# Altium PCB SIM_Cntroller_P200.PcbDoc (part 1 of 2)
Units mm, origin at the board's own origin, x right, y up, seen from the top; angles counter-clockwise.
Board outline 110.24 x 141.25 mm, 2 copper layers (Top Layer, Bottom Layer); 165 components, 100 nets, 639 pads, 246 vias.
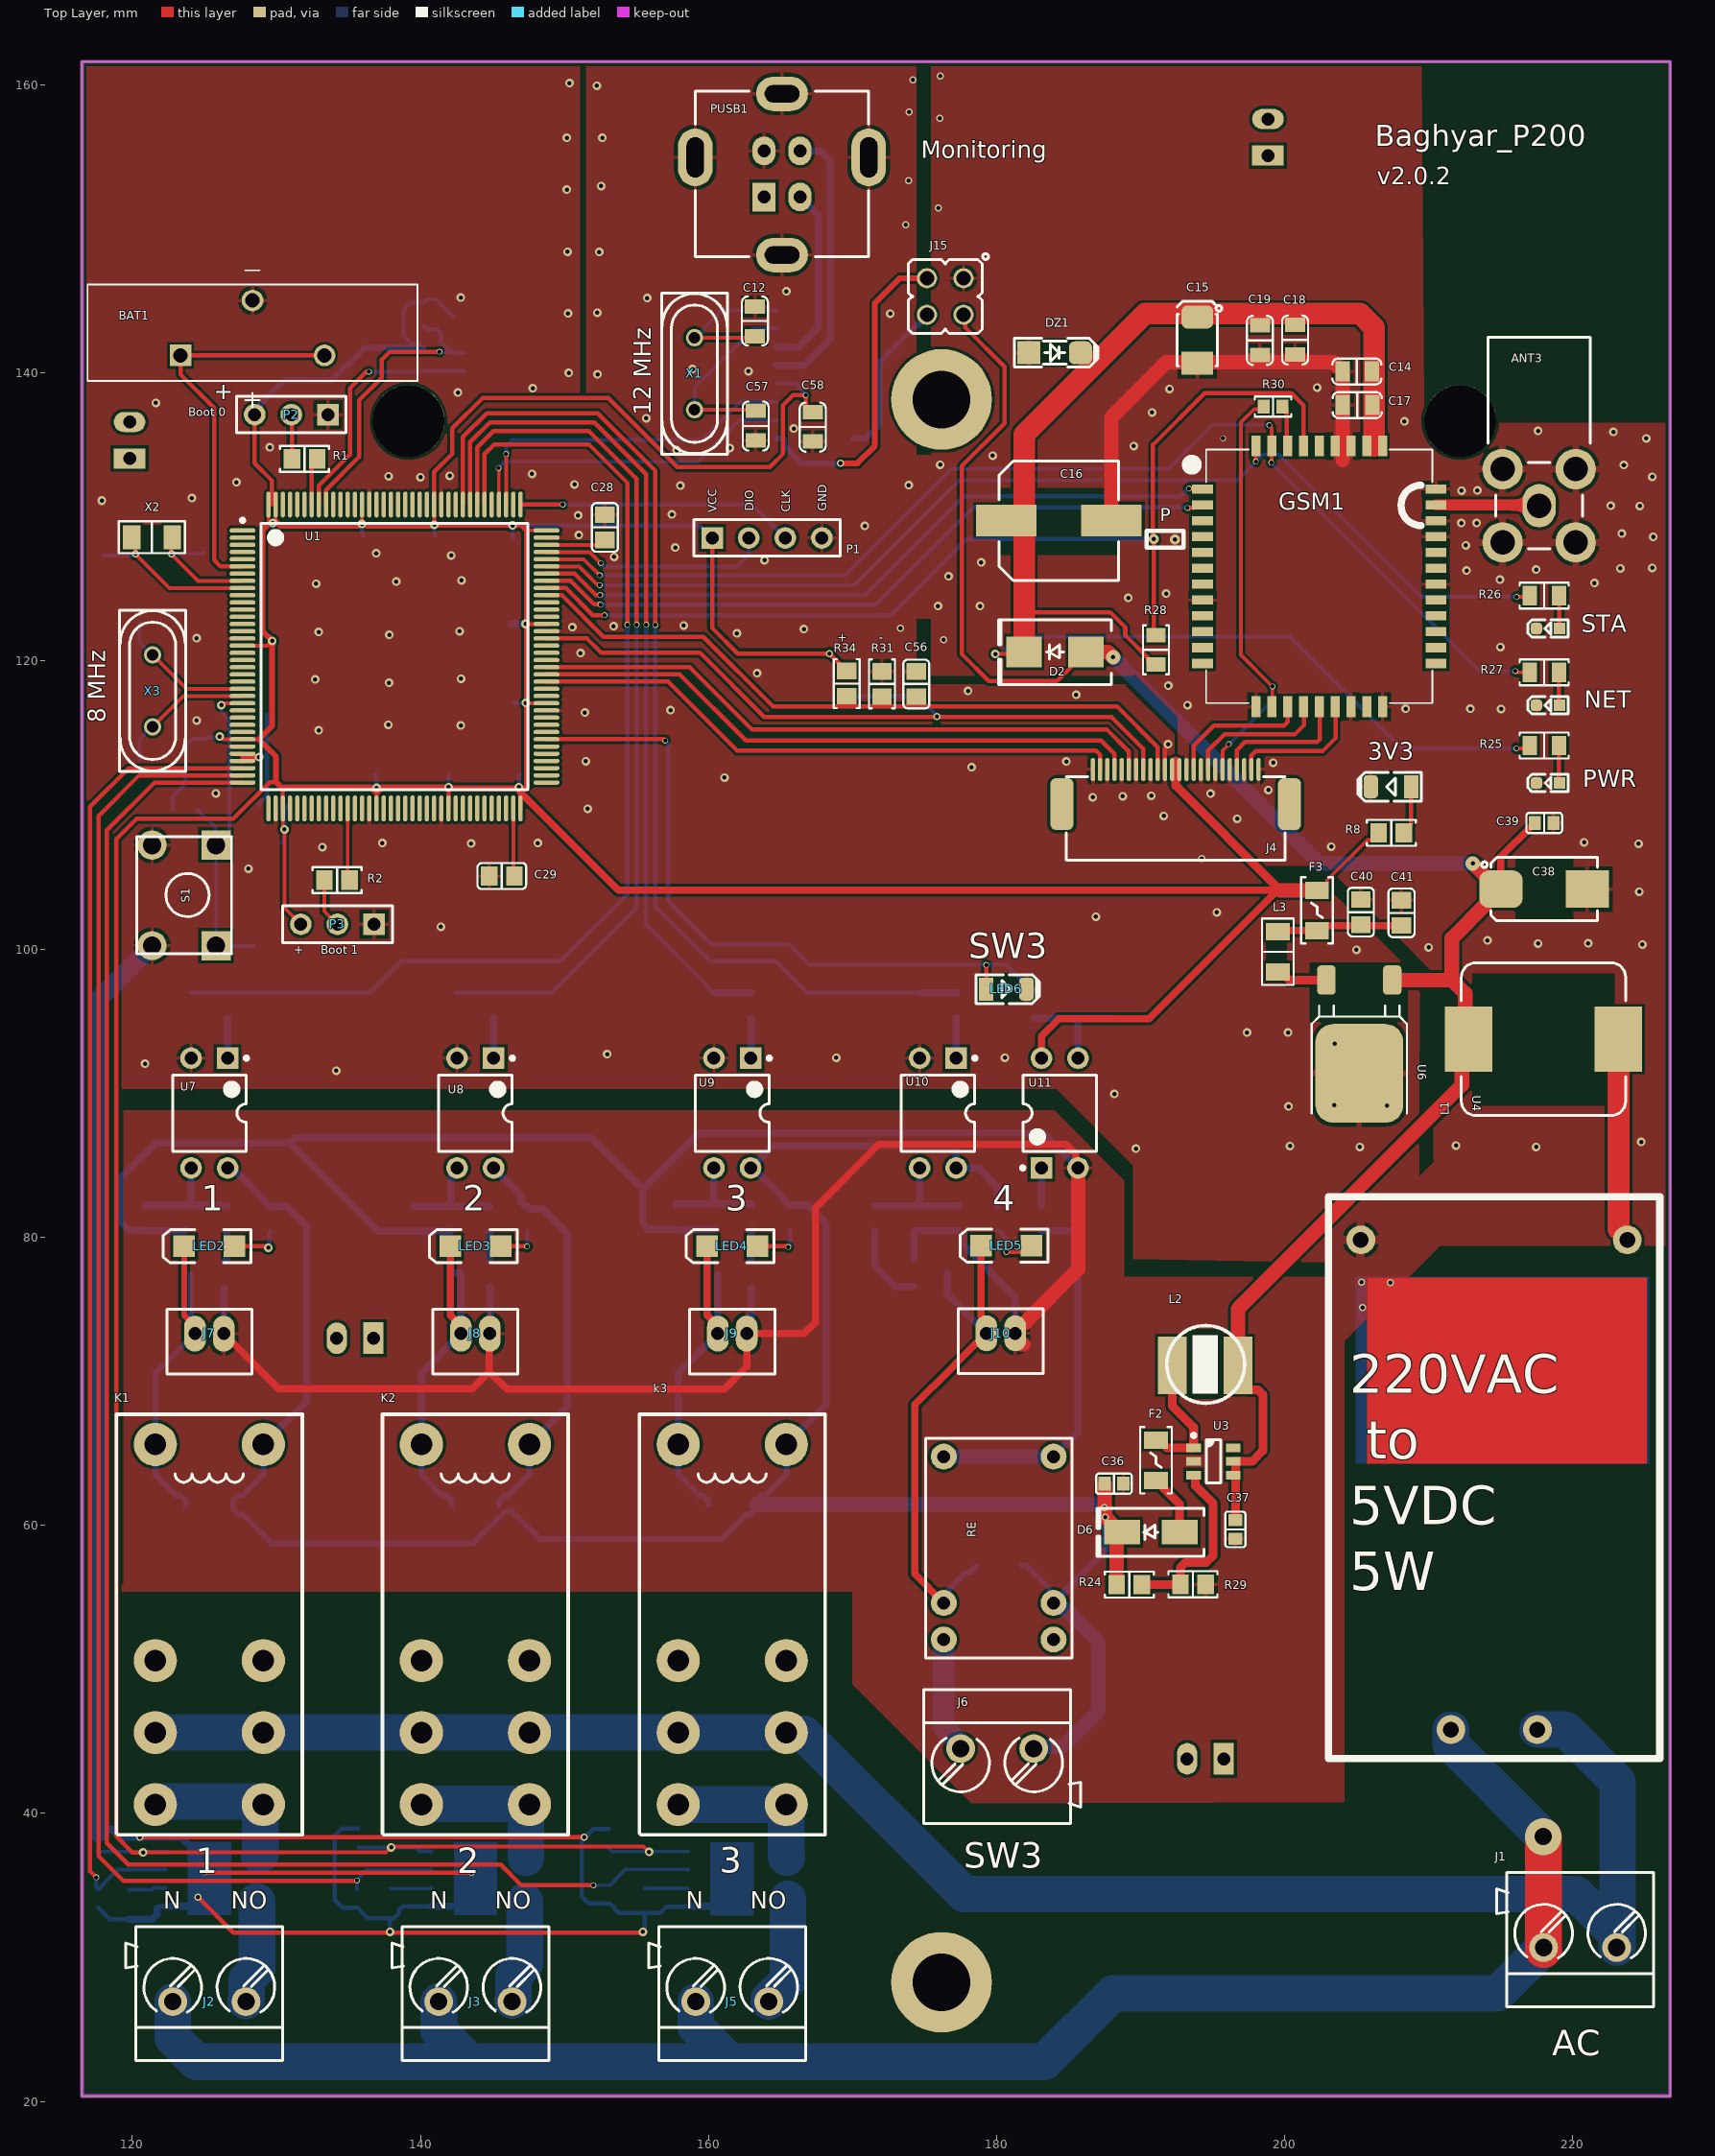
[diagram p0: Top Layer view]
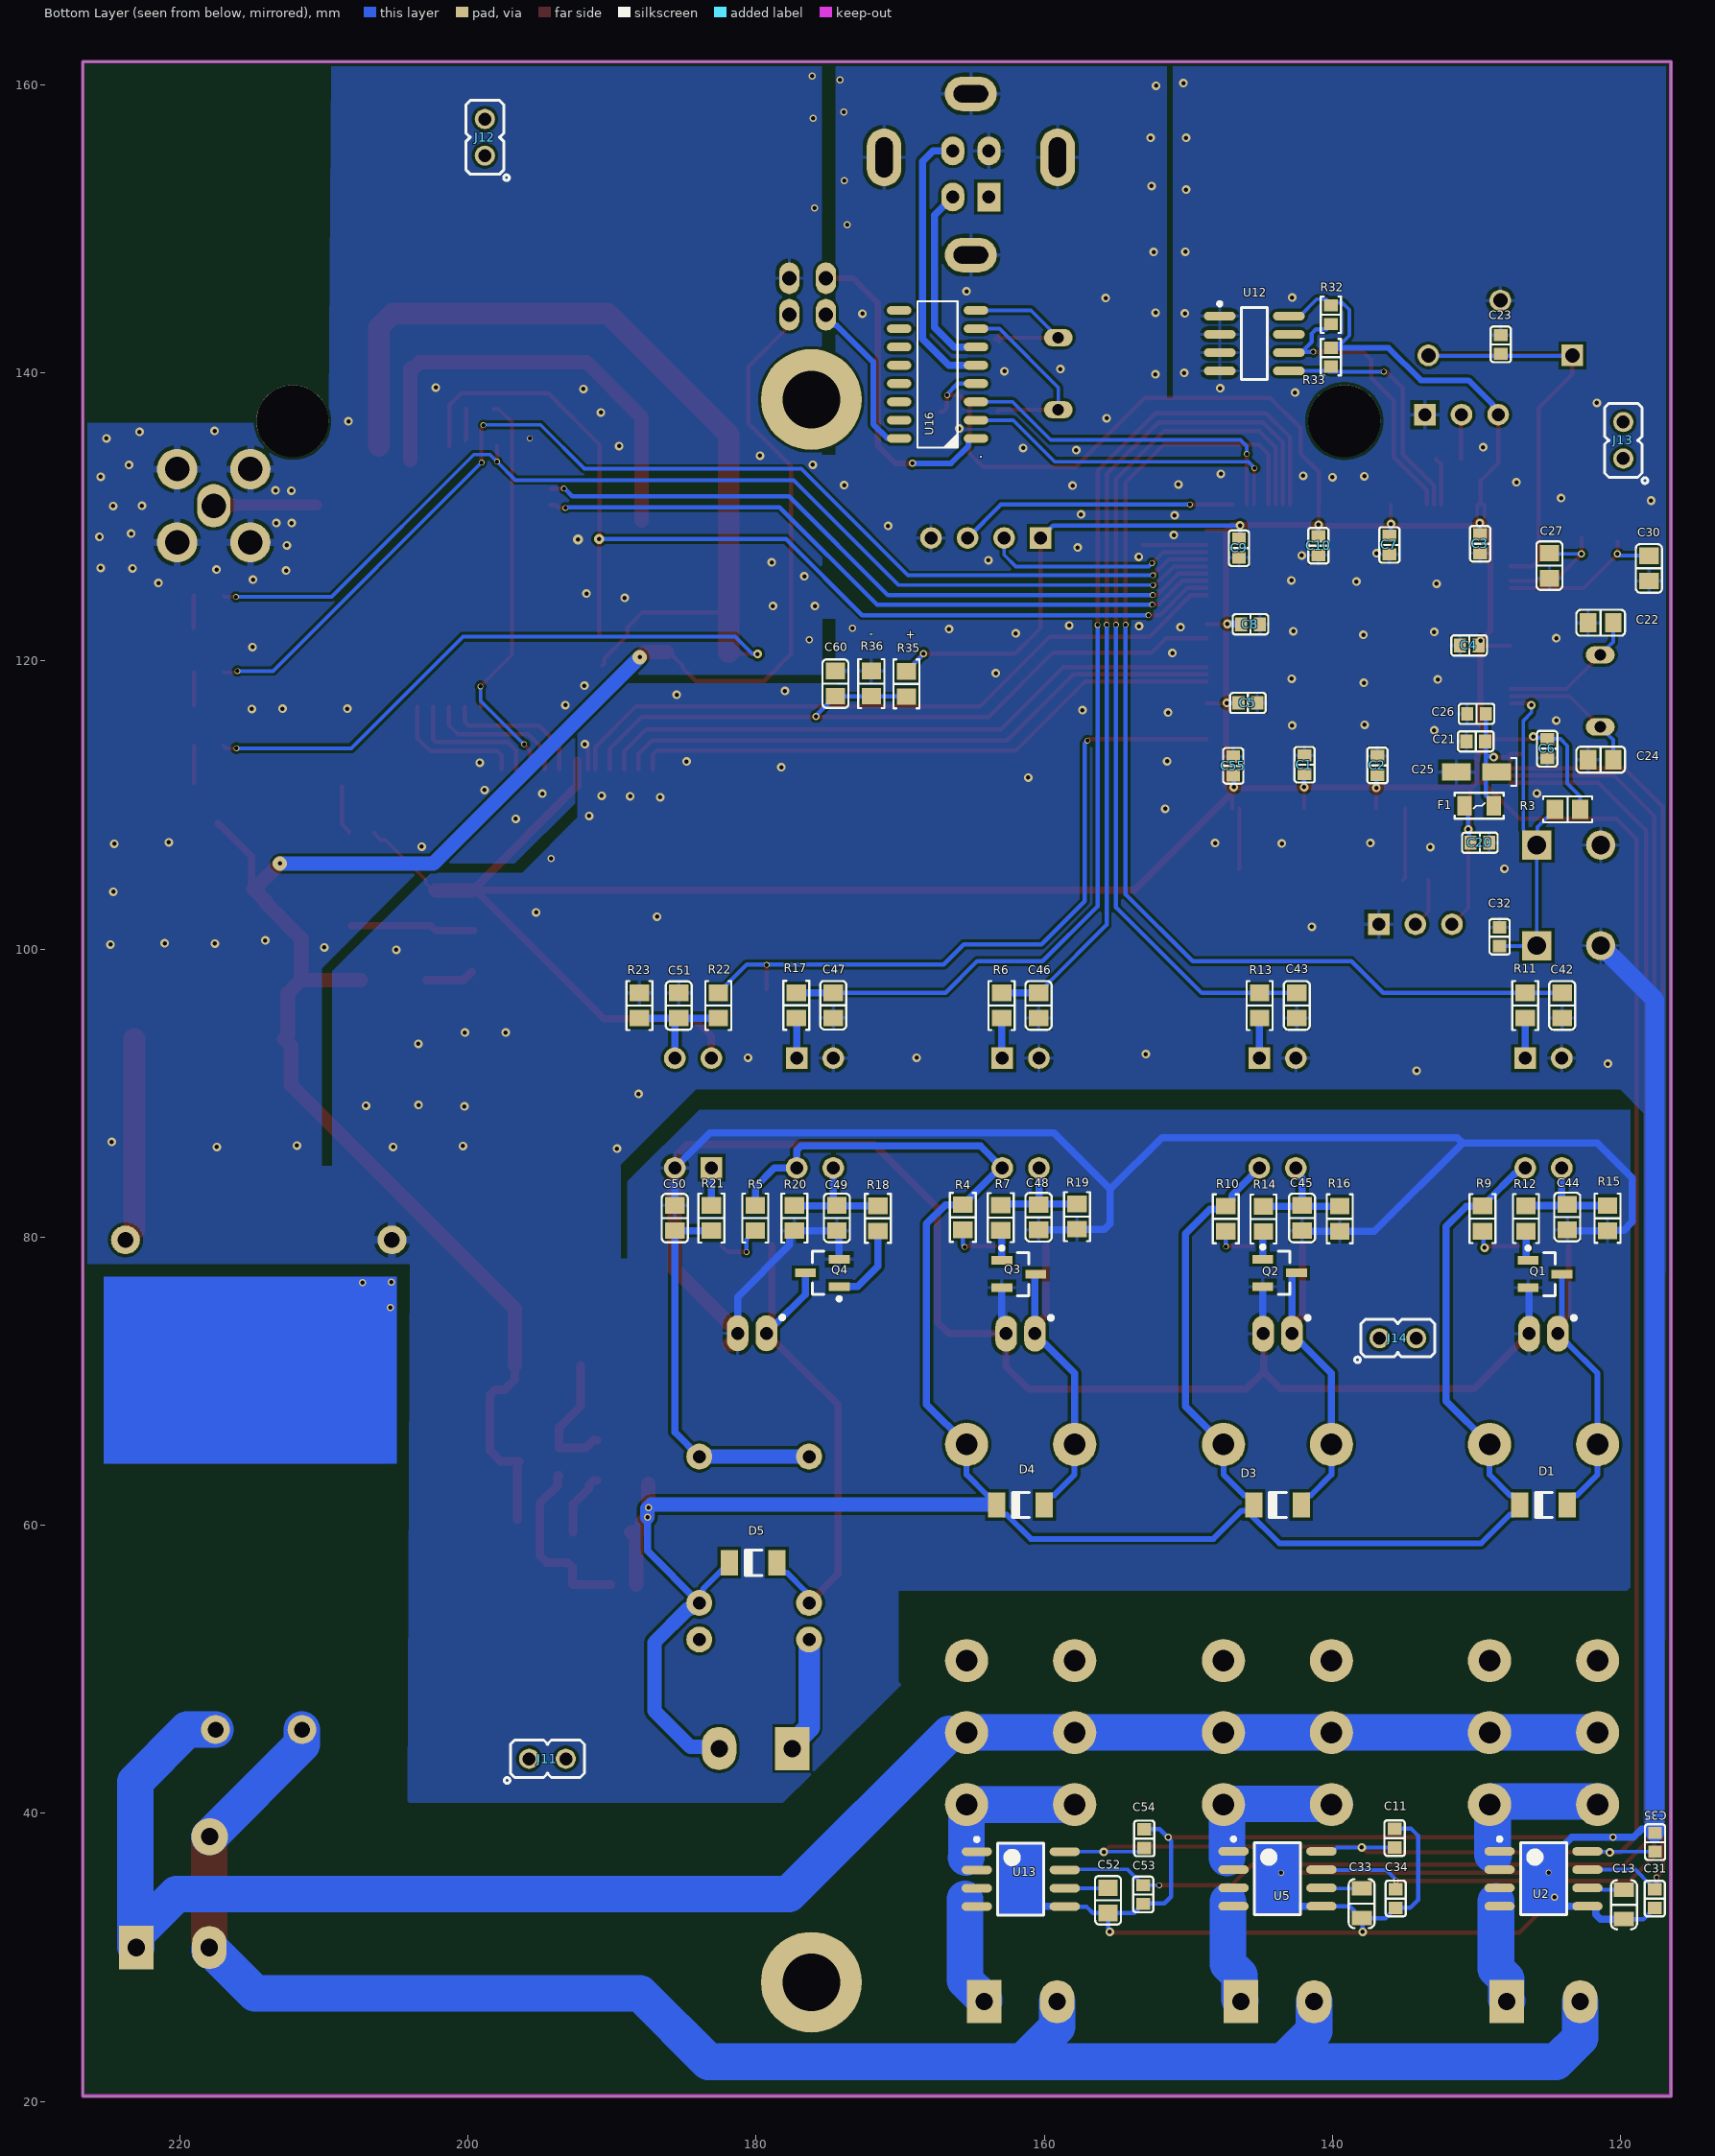
[diagram p1: Bottom Layer view, seen from below]

## Layer stack, top to bottom
Top Solder: solder mask 0.0102, Solder Resist, Dk 3.5
Top Layer: signal copper 0.0356
Dielectric 1: dielectric 0.32, FR-4, Dk 4.8
Bottom Layer: signal copper 0.0356
Bottom Solder: solder mask 0.0102, Solder Resist, Dk 3.5

## Board outline
116.51,20.371 116.51,161.62 226.746,161.62 226.746,20.371

## Design rules (kind name [scope] priority, off if disabled: settings)
Clearance [All] p1: gap=0.2 ignorepadtopadclearanceinfootprint=FALSE
DiffPairsRouting [All] p1: maxlimit=0.254 minlimit=0.254 mostfreqgap=0.254 substack1={117C02D6-1470-4DD2-A6A5-AC59825B43E4} toplayer_{117c02d6-1470-4dd2-a6a5-ac59825b43e4}_minwidth=0.381 toplayer_{117c02d6-1470-4dd2-a6a5-ac59825b43e4}_maxwidth=0.381 toplayer_{117c02d6-1470-4dd2-a6a5-ac59825b43e4}_prefwidth=0.381 bottomlayer_{117c02d6-1470-4dd2-a6a5-ac59825b43e4}_minwidth=0.381 bottomlayer_{117c02d6-1470-4dd2-a6a5-ac59825b43e4}_maxwidth=0.381 bottomlayer_{117c02d6-1470-4dd2-a6a5-ac59825b43e4}_prefwidth=0.381 toplayer_minwidth=0.381 toplayer_maxwidth=0.381 toplayer_prefwidth=0.381 bottomlayer_minwidth=0.381 bottomlayer_maxwidth=0.381 bottomlayer_prefwidth=0.381 maxuncoupledlength=12.7
HoleSize [All] p1: absolutevalues=TRUE maxlimit=25.4 minlimit=0.025 maxpercent=80.000 minpercent=20.000
NetAntennae [All] p1: netantennaetolerance=0.127
PolygonConnect [All] p1: connectstyle=Relief reliefconductorwidth=0.254 reliefentries=4 polygonreliefangle="90 Angle" airgapwidth=0.254
RoutingVias [All] p1: holewidth=0.381 width=0.508 viastyle="Through Hole" minholewidth=0.381 minwidth=0.508 maxholewidth=0.711 maxwidth=1.27
SilkToSilkClearance [All] p1: silktosilkclearance=0
SilkToSolderMaskClearance [IsPad] p1: minsilkscreentomaskgap=0 clearancetoexposedcopper=FALSE
SolderMaskExpansion [All] p1: expansion=0.102 istentingtop=FALSE
Width [All] p1: maxlimit=3 minlimit=0.254 preferedwidth=0.3 substack1={117C02D6-1470-4DD2-A6A5-AC59825B43E4} toplayer_{117c02d6-1470-4dd2-a6a5-ac59825b43e4}_maxwidth=2.54 toplayer_{117c02d6-1470-4dd2-a6a5-ac59825b43e4}_prefwidth=0.254 bottomlayer_{117c02d6-1470-4dd2-a6a5-ac59825b43e4}_maxwidth=2.54 bottomlayer_{117c02d6-1470-4dd2-a6a5-ac59825b43e4}_prefwidth=0.254
25 further rules are at their usual default settings.

## Classes and differential pairs
component class 5: 3V3 C36 C37 C38 C39 C40 C41 D6 F2 F3 J1 L1 L2 L3 R8 R24 R29 U3 U4 U6
component class 4: C42 C43 C44 C45 C46 C47 C48 C49 C50 C51 D1 D3 D4 D5 J2 J3 J5 J6 J7 J8 J9 J10 K1 K2 k3 LED2 LED3 LED4 LED5 LED6 Q1 Q2 Q3 Q4 R4 R5 R6 R7 R9 R10 R11 R12 R13 R14 R15 R16 R17 R18 R19 R20 R21 R22 R23 RE U7 U8 U9 U10 U11
component class 3: J4 J11 J12 J13 J14 PUSB1
component class 2: ANT3 C11 C12 C13 C14 C15 C16 C17 C18 C19 C31 C33 C34 C35 C52 C53 C54 C57 C58 D2 DZ1 GSM1 J15 NET PWR R25 R26 R27 R28 R30 R32 R33 STA U2 U5 U12 U13 U16 X1
component class 1: BAT1 C1 C2 C3 C4 C5 C6 C7 C8 C9 C10 C20 C21 C22 C23 C24 C25 C26 C27 C28 C29 C30 C32 C55 C56 C60 F1 P1 P2 P3 R1 R2 R3 R31 R34 R35 R36 S1 U1 X2 X3

## Components (designator, comment, footprint, x,y, rotation, side; value= is the part's Value field where it differs from the comment)
3V3 "" LED_1206_RED 207.366,111.277 r180 top
ANT3 "SMA" SMA_RA 217.653,130.785 r270 top
BAT1 "BAT" BAT_STAND 128.346,143.129 r90 top
C1 "100nF" "CAP 0603_1608" 141.935,112.801 r270 bottom
C2 "100nF" "CAP 0603_1608" 136.881,112.751 r270 bottom
C3 "100nF" "CAP 0603_1608" 129.743,128.143 r90 bottom
C4 "100nF" "CAP 0603_1608" 130.505,121.082 r180 bottom
C5 "100nF" "CAP 0603_1608" 145.872,117.094 r0 bottom
C6 "100nF" "CAP 0603_1608" 125.095,113.919 r90 bottom
C7 "100nF" "CAP 0603_1608" 136.042,128.067 r90 bottom
C8 "100nF" "CAP 0603_1608" 145.694,122.555 r0 bottom
C9 "100nF" "CAP 0603_1608" 146.482,127.838 r90 bottom
C10 "100nF" "CAP 0603_1608" 140.97,128.016 r90 bottom
C11 "100nF" "CAP 0603_1608" 135.687,38.278 r270 bottom
C12 "22pF" "CAP 0805" 163.22,143.612 r270 top
C13 "10uF" "CAP 0805" 119.761,33.655 r90 bottom
C14 "100nF" "CAP 0805" 205.003,140.106 r0 top
C15 "100uF" "CAP TAN SMD 3528" 193.929,142.291 r270 top
C16 "1000uF" "CAP ALSMD POLY 8.3MM H8.0MM" 184.302,129.743 r0 top
C17 "33pF" "CAP 0805" 205.029,137.77 r0 top
C18 "10pF" "CAP 0805" 200.711,142.291 r90 top
C19 "10uF" "CAP 0805" 198.272,142.265 r90 top
C20 "100nF" "CAP 0603_1608" 129.769,107.391 r0 bottom
C21 "10nF" "CAP 0603_1608" 130.048,114.427 r180 bottom
C22 "20pF" "CAP 0805_2012" 121.387,122.657 r180 bottom
C23 "100nF" "CAP 0603_1608" 128.321,141.986 r270 bottom
C24 "20pF" "CAP 0805_2012" 121.387,113.157 r180 bottom
C25 "1uF" "CAPP 1206 (3216X18L) Size A" 128.6,112.293 r0 bottom
C26 "100nF" "CAP 0603_1608" 129.997,116.332 r180 bottom
C27 "6.8pF" "CAP 0805_2012" 124.943,126.619 r90 bottom
C28 "2.2uF" "CAP 0805_2012" 152.806,129.286 r270 top
C29 "2.2uF" "CAP 0805_2012" 145.644,105.08 r0 top
C30 "6.8pF" "CAP 0805_2012" 118.034,126.441 r270 bottom
C31 "100nF" "CAP 0603_1608" 117.627,34.087 r90 bottom
C32 "100nF" "CAP 0603_1608" 128.397,100.863 r270 bottom
C33 "10uF" "CAP 0805" 137.973,33.731 r90 bottom
C34 "100nF" "CAP 0603_1608" 135.611,34.087 r270 bottom
C35 "100nF" "CAP 0603_1608" 117.602,37.998 r270 bottom
C36 "22uF" "CAP 0603_1608" 188.138,62.89 r180 top
C37 "22uF" "CAP 0603_1608" 196.571,59.715 r90 top
C38 "470uF" "CAP TAN SMD 7343" 218.004,104.165 r0 top
C39 "100nF" "CAP 0603_1608" 218.004,108.763 r180 top
C40 "100uF" "CAP 0805_2012" 205.283,102.565 r90 top
C41 "10uF" "CAP 0805_2012" 208.102,102.514 r90 top
C42 "100nF" "CAP 0805_2012" 124.054,96.088 r90 bottom
C43 "100nF" "CAP 0805_2012" 142.469,96.088 r90 bottom
C44 "100nF" "CAP 0805_2012" 123.698,81.396 r90 bottom
C45 "100nF" "CAP 0805_2012" 142.113,81.331 r90 bottom
C46 "100nF" "CAP 0805_2012" 160.401,96.088 r90 bottom
C47 "100nF" "CAP 0805_2012" 174.65,96.1 r90 bottom
C48 "100nF" "CAP 0805_2012" 160.401,81.382 r90 bottom
C49 "100nF" "CAP 0805_2012" 174.396,81.331 r90 bottom
C50 "100nF" "CAP 0805_2012" 185.649,81.331 r270 bottom
C51 "100nF" "CAP 0805_2012" 185.369,96.088 r270 bottom
C52 "10uF" "CAP 0805_2012" 155.575,33.96 r90 bottom
C53 "100nF" "CAP 0603_1608" 153.137,34.366 r270 bottom
C54 "100nF" "CAP 0603_1608" 153.06,38.252 r270 bottom
C55 "100nF" "CAP 0603_1608" 146.888,112.725 r270 bottom
C56 "100nF" "CAP 0805_2012" 174.422,118.415 r270 top
C57 "22pF" "CAP 0805" 163.271,136.322 r90 top
C58 "10nf" "CAP 0805" 167.234,136.246 r90 top
C60 "100nF" "CAP 0805_2012" 174.498,118.44 r270 bottom
D1 "1N4148" LL4148 125.349,61.417 r0 bottom
D2 "1N4148 SMD" "DO-214AA SMB" 184.048,120.625 r180 top
D3 "1N4148" LL4148 143.815,61.417 r0 bottom
D4 "1N4148" LL4148 161.646,61.417 r0 bottom
D5 "1N4148" LL4148 180.213,57.404 r0 bottom
D6 "SS34" "DO-214AC SMA" 190.703,59.512 r180 top
DZ1 "Zener 0.5W SMD" SOD80 184.023,141.402 r0 top value=4.7V
F1 "Ferrite Bead" FUSE_0805 129.819,109.957 r180 bottom
F2 "Fuse 0805" FUSE_1206 191.059,64.516 r90 top value=0.5A
F3 "Fuse 1206" FUSE_1206 202.235,102.692 r90 top value=2A
GSM1 "" SIM800C_M 202.387,125.882 r270 top
J1 "CONN_TB2" P_TBB_2 220.497,30.683 r180 top
J2 "CONN_TB2" P_TBB_2 125.349,26.924 r180 top
J3 "CONN_TB2" P_TBB_2 143.815,26.924 r180 top
J4 "FPC_0.5mm_24" FPC50_24 192.43,112.471 r180 top
J5 "CONN_TB2" P_TBB_2 161.646,26.924 r180 top
J6 "CONN_TB2" P_TBB_2 180.035,44.501 r0 top
J7 "JST BxB-PH-K 2Pin" "JST B2B-PH-K" 125.349,73.304 r0 top
J8 "JST BxB-PH-K 2Pin" "JST B2B-PH-K" 143.815,73.304 r0 top
J9 "JST BxB-PH-K 2Pin" "JST B2B-PH-K" 161.646,73.304 r0 top
J10 "JST BxB-PH-K 2Pin" "JST B2B-PH-K" 180.289,73.33 r0 top
J11 "HDRM2" HDR_M_1X2 194.488,43.79 r180 bottom
J12 "HDRM2" HDR_M_1X2 198.831,156.362 r90 bottom
J13 "HDRM2" HDR_M_1X2 119.812,135.331 r90 bottom
J14 "HDRM2" HDR_M_1X2 135.463,72.989 r180 bottom
J15 "HDRM_2X2" HDR_M_2X2 176.428,145.313 r180 top
K1 "Relay_8PIN_OMRON" Relay_8 125.349,53.111 r0 top (schematic designator k1)
K2 "Relay_8PIN_OMRON" Relay_8 143.815,53.111 r0 top (schematic designator k2)
k3 "Relay_8PIN_OMRON" Relay_8 161.646,53.111 r0 top
L1 "Inductor SMD POWER 10X11mm" "IND 10X11" 217.957,93.751 r180 top value=100uH
L2 "Inductor SMD POWER 10X11mm" "IND 5X5MM" 194.462,71.171 r0 top value=22uH
L3 "Ferrite" "IND 1206_3216" 199.517,99.822 r90 top
LED2 "" "LED SMD 1206" 125.349,79.375 r180 top
LED3 "" "LED SMD 1206" 143.815,79.375 r180 top
LED4 "" "LED SMD 1206" 161.646,79.375 r180 top
LED5 "" "LED SMD 1206" 180.67,79.4 r180 top
LED6 "" LED_1206_GREEN 180.67,97.231 r0 top
NET "" LED_0603_GREEN 218.258,116.93 r180 top
P1 "Header 4" HDR1X4 160.249,128.549 r0 top
P2 "Header 3" HDR1X3 133.579,137.109 r180 top
P3 "Header 3" HDR1X3 136.779,101.727 r180 top
PUSB1 "CONN_USB_B" USB_B_ST 165.1,153.822 r0 top